# KiCad board Synth_Shield.kicad_pcb
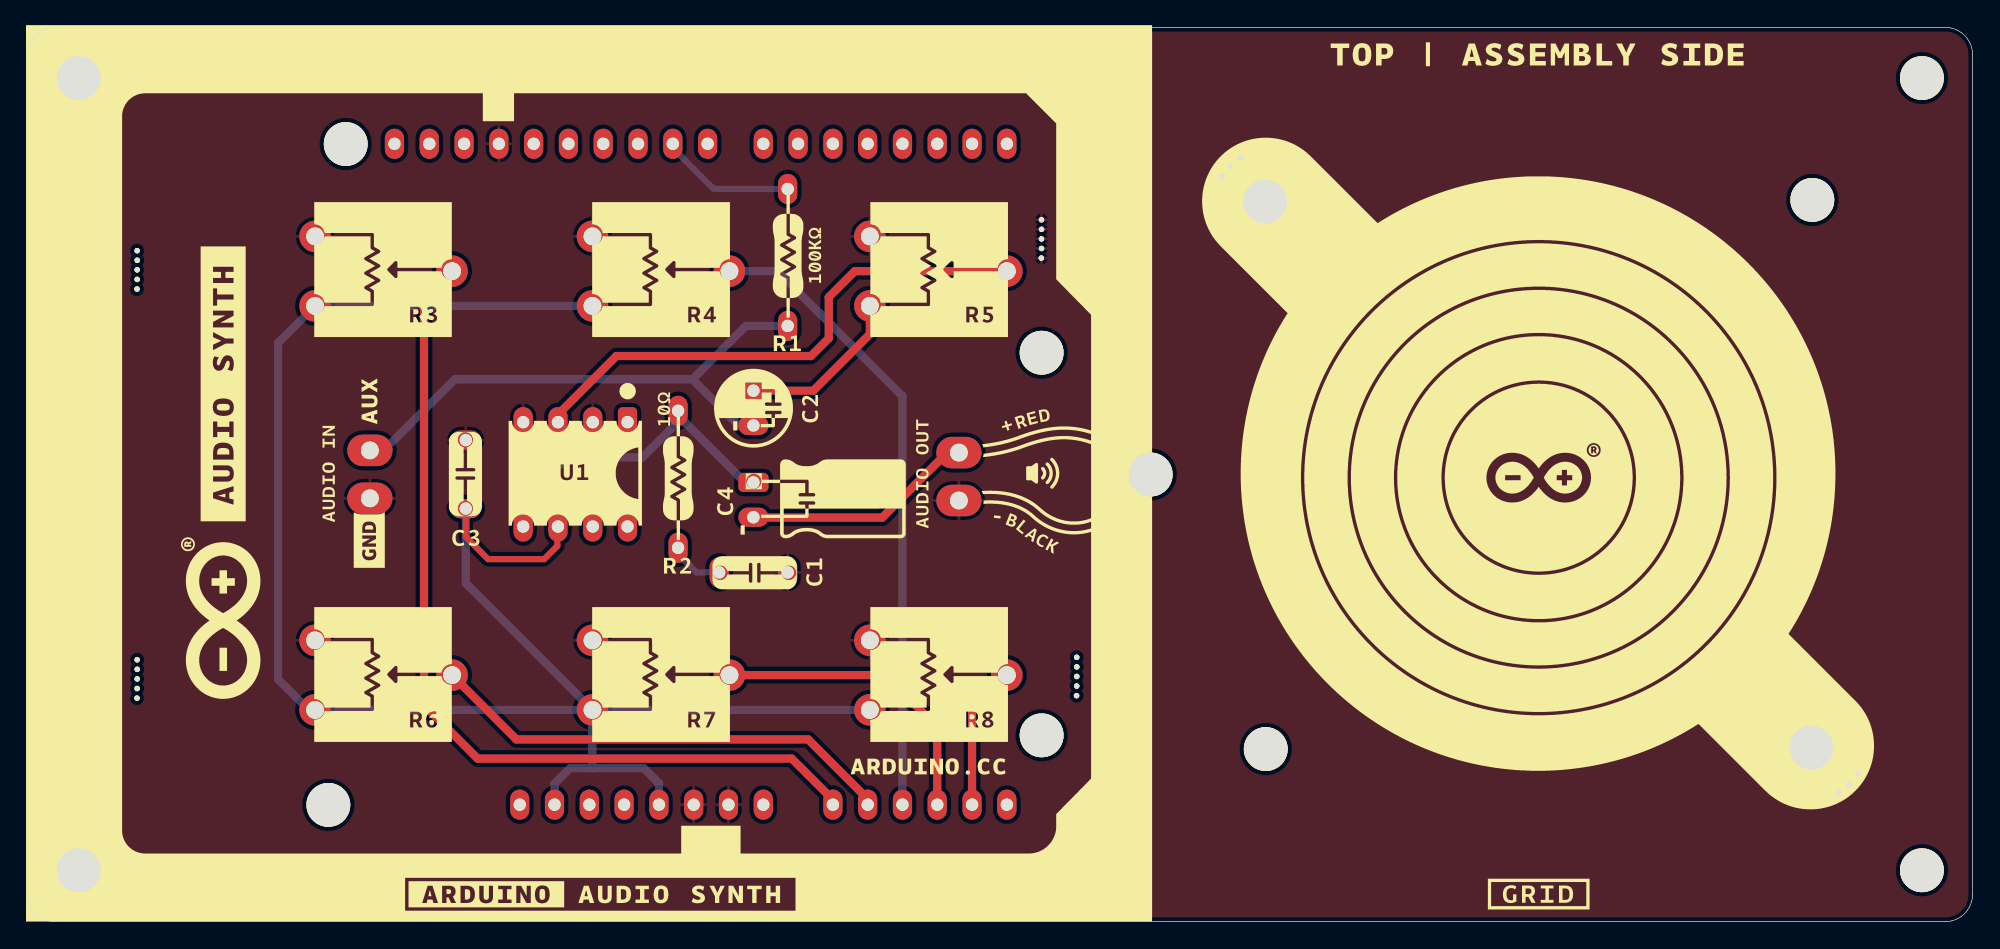
[diagram p0: board, top side]
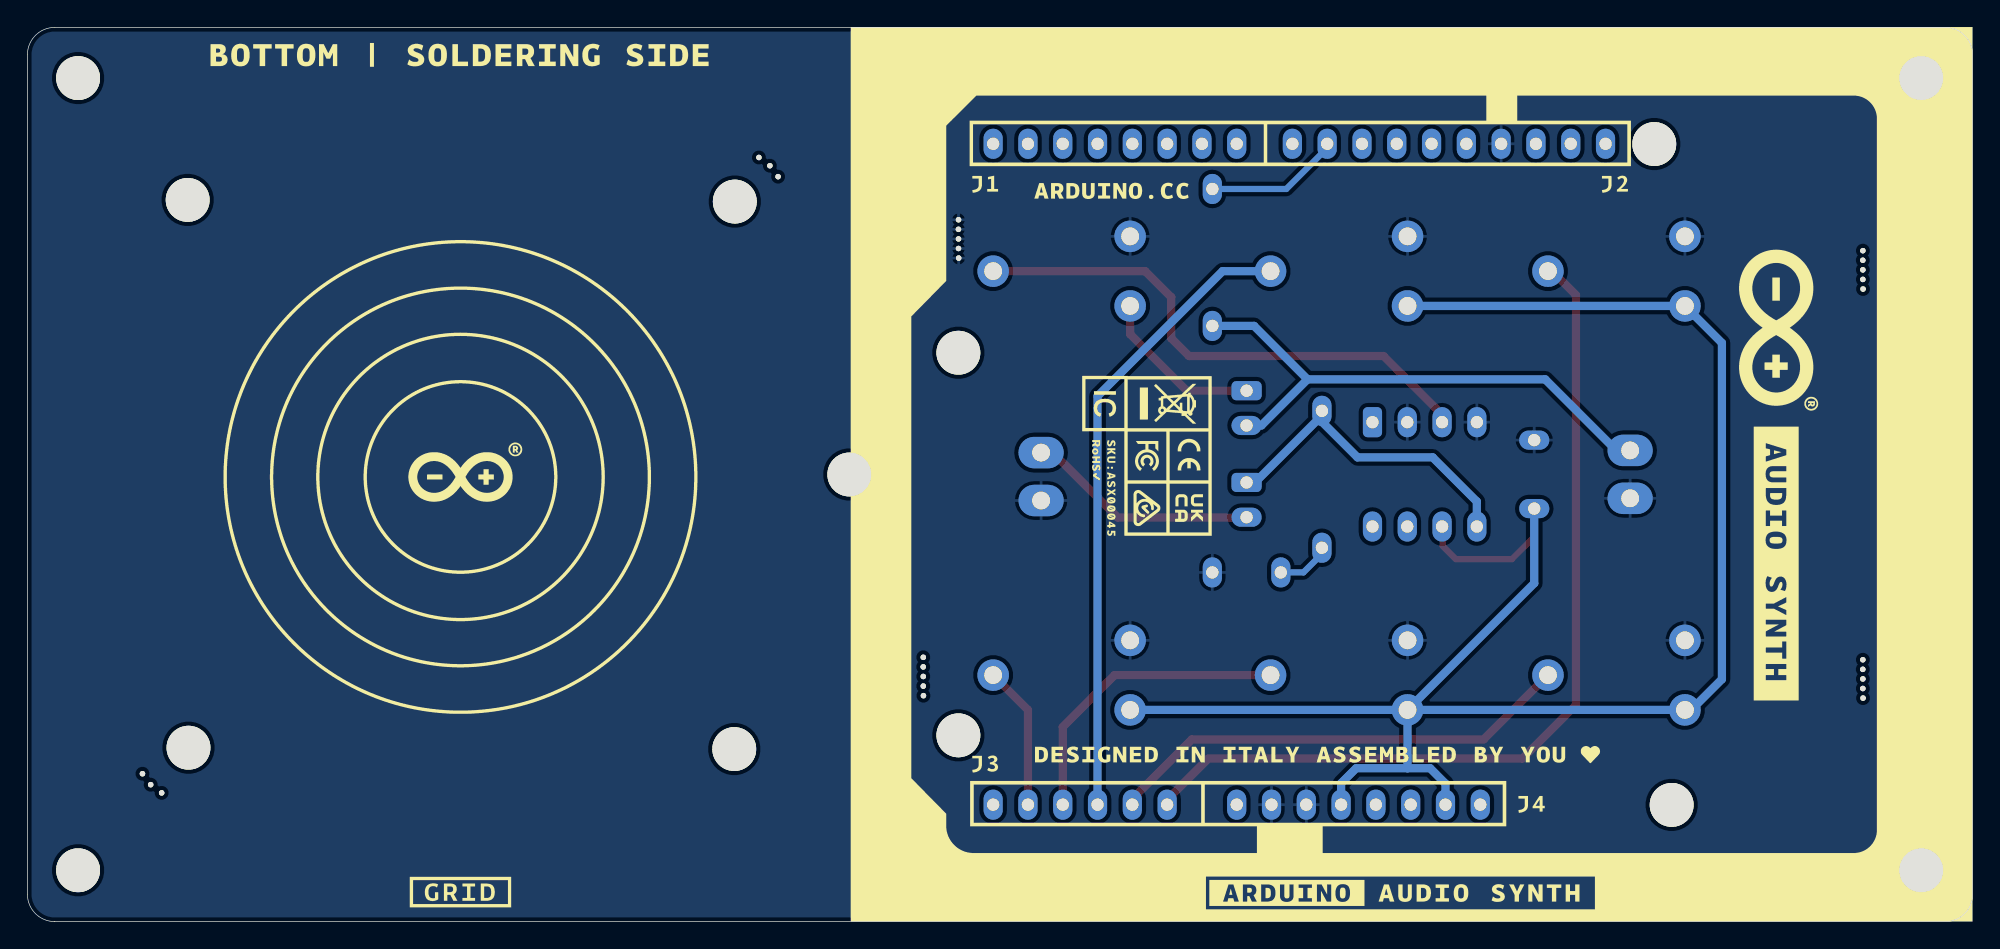
[diagram p1: board, bottom side, seen from below]

Outline 142 x 65.3 mm; copper layers: TOP, BOTTOM. Coordinates in mm from the lower left corner of the outline.
Outline path: 0,63.3 arc(0.59,64.71) 2,65.3 140,65.3 arc(141.41,64.71) 142,63.3 142,2 arc(141.41,0.59) 140,0 2,0 arc(0.59,0.59) 0,2 0,63.3

## Placement (name value [footprint] x y rotation side)
C1  -  [TS170R1H473KSABB0R]  53 25.5 0 top
C2  -  [EKF476M1EE05TU]  53 37.5 90 top
C3  -  [B32529C0104J289]  32 32.66 90 top
C4  -  [EKM227M1EE11TUSAP]  53 30.8 90 top
J1  PH1-08-UA  [CONN STRIP 2.54 PIN HEADER DIP 180° 1x 8 PIN GOLD FLASH]  62.61 56.8 180 top
J2  PH1-10-UA  [CONN STRIP 2.54 PIN HEADER DIP 180° 1x 10 PIN GOLD FLASH]  38.23 56.8 180 top
J3  PH1-06-UA  [2.54 PIN HEADER DIP 180° 1x 6 PIN GOLD FLASH]  65.15 8.54 0 top
J4  PH1-08-UA  [CONN STRIP 2.54 PIN HEADER DIP 180° 1x 8 PIN GOLD FLASH]  44.83 8.54 0 top
J5  -  [MK125002GO]  68 32.5 90 top
J6  -  [MK125002GO]  25 32.66 90 top
K1  KNOB TRIMMER  [0147]  66.7 47.6 0 top
K2  KNOB TRIMMER  [0147]  46.3 47.6 0 top
K3  KNOB TRIMMER  [0147]  26 47.4 0 top
K4  KNOB TRIMMER  [0147]  26 18 0 top
K5  KNOB TRIMMER  [0147]  46.3 18 0 top
K6  KNOB TRIMMER  [0147]  66.6 18.3 0 top
NOREF  -  [unnamed]  74.02 48.45 0 top
NOREF#2  -  [unnamed]  76.6 17.2 0 top
NOREF#3  -  [unnamed]  8.01 19.12 0 top
NOREF#4  -  [unnamed#2]  3.75 3.75 0 top
NOREF#5  -  [unnamed]  8 46.19 0 top
NOREF#6  -  [unnamed#2]  3.75 61.6 0 top
NOREF#7  -  [unnamed]  8.01 46.89 0 top
NOREF#8  -  [unnamed]  8.01 17.02 0 top
NOREF#9  -  [unnamed]  8.01 48.99 0 top
NOREF#10  -  [unnamed]  74.03 49.15 0 top
NOREF#11  -  [unnamed]  133.6 10.8 0 top
NOREF#12  -  [unnamed]  8.02 18.42 0 top
NOREF#13  -  [unnamed#2]  74.04 13.6 0 top
NOREF#14  -  [unnamed]  133 10 0 top
NOREF#15  -  [unnamed#2]  130.3 52.7 0 top
NOREF#16  -  [unnamed]  8 16.32 0 top
NOREF#17  -  [unnamed#2]  21.97 8.52 0 top
NOREF#18  -  [unnamed]  8.02 48.29 0 top
NOREF#19  -  [unnamed]  76.6 19.3 0 top
NOREF#20  -  [unnamed]  8.01 17.72 0 top
NOREF#21  -  [unnamed]  87.2 54.4 0 top
NOREF#22  -  [unnamed#2]  23.24 56.78 0 top
NOREF#23  -  [unnamed]  132.2 9.4 0 top
NOREF#24  -  [unnamed]  76.61 18.6 0 top
NOREF#25  -  [unnamed]  76.6 17.9 0 top
NOREF#26  -  [unnamed#2]  74.04 41.54 0 top
NOREF#27  -  [unnamed#2]  138.3 3.75 0 top
NOREF#28  -  [unnamed]  76.59 16.5 0 top
NOREF#29  -  [unnamed#2]  82 32.65 0 top
NOREF#30  -  [unnamed]  74.03 49.85 0 top
NOREF#31  -  [unnamed]  88.6 55.8 0 top
NOREF#32  -  [unnamed]  74.03 50.55 0 top
NOREF#33  -  [unnamed]  74.03 51.25 0 top
NOREF#34  -  [unnamed#2]  138.3 61.6 0 top
NOREF#35  -  [unnamed]  8.01 47.59 0 top
NOREF#36  -  [unnamed#2]  90.4 12.6 0 top
NOREF#37  -  [unnamed]  87.8 55.2 0 top
R1  1623930-1  [-0-1623930-1]  55.5 48.5 270 top
R2  1623930-5  [R0230]  47.5 32.3 270 top
R3  CA9MV10-10KA2020  [New footprint 1]  31 47.5 270 top
R4  CA9MV10-10KA2020  [New footprint 1]  51.25 47.5 270 top
R5  CA9MV10-10KA2020  [New footprint 1]  71.5 47.5 270 top
R6  CA9MV10-10KA2020  [New footprint 1]  31 18 270 top
R7  CA9MV10-10KA2020  [New footprint 1]  51.25 18 270 top
R8  CA9MV10-10KA2020  [New footprint 1]  71.5 18 270 top
S1  -  [L50EJ050008WLFLM-002]  110.3 32.64 45 top
U1  lm386  [P0008A]  40 32.66 270 top

## Footprints (pads in the part's own frame, mm; a bottom-side part is the same pattern mirrored in y, then rotated)
2.54 PIN HEADER DIP 180° 1x 6 PIN GOLD FLASH
  oval 1.4x2.2 hole 0.9: 1(-6.35,0) 2(-3.81,0) 3(-1.27,0) 4(1.27,0) 5(3.81,0) 6(6.35,0)
-0-1623930-1
  oval 2.2x1.4 hole 0.9: 1(-5,0) 2(5,0)
B32529C0104J289
  oval 1.4x2.2 hole 0.9: 1(-2.5,0) 2(2.5,0)
CONN STRIP 2.54 PIN HEADER DIP 180° 1x 8 PIN GOLD FLASH
  oval 1.4x2.2 hole 0.9: 1(-8.89,0) 2(-6.35,0) 3(-3.81,0) 4(-1.27,0) 5(1.27,0) 6(3.81,0) 7(6.35,0) 8(8.89,0)
CONN STRIP 2.54 PIN HEADER DIP 180° 1x 10 PIN GOLD FLASH
  oval 1.4x2.2 hole 0.9: 1(-11.43,0) 2(-8.89,0) 3(-6.35,0) 4(-3.81,0) 5(-1.27,0) 6(1.27,0) 7(3.81,0) 8(6.35,0) 9(8.89,0) 10(11.43,0)
EKF476M1EE05TU
  oval 1.4x2.2 hole 0.9: 1(-1.27,0)
  rrect 1.4x2.2 hole 0.9: 2(1.27,0)
EKM227M1EE11TUSAP
  oval 1.4x2.2 hole 0.9: 1(-1.27,0)
  rrect 1.4x2.2 hole 0.9: 2(1.27,0)
L50EJ050008WLFLM-002
  round 3.2 hole 3.2 unplated: (0,28.2) (0,-28.2)
MK125002GO
  oval 2.3x3.3 hole 1.3: 1(-1.75,0) 2(1.75,0)
New footprint 1
  round 2.3 hole 1.3: 1(-2.54,-10) 2(0,0) 3(2.54,-10)
P0008A
  rrect 2.2x1.4 hole 0.9: 1(-3.81,3.81)
  oval 2.2x1.4 hole 0.9: 2(-3.81,1.27) 3(-3.81,-1.27) 4(-3.81,-3.81) 5(3.81,-3.81) 6(3.81,-1.27) 7(3.81,1.27) 8(3.81,3.81)
R0230
  oval 2.2x1.4 hole 0.9: 1(-5,0) 2(5,0)
TS170R1H473KSABB0R
  oval 1.4x2.2 hole 0.9: 1(-2.5,0) 2(2.5,0)
unnamed
  round 0.4 hole 0.4 unplated: (0,0)
unnamed#2
  round 3.2 hole 3.2 unplated: (0,0)

## Nets
+5V: C3.1 J4.2 J4.5 R3.3 R4.3 R6.3 R7.3 R8.3 U1.6
GND: C1.2 C3.2 J2.7 J4.6 J4.7 J5.1 J6.1 R3.1 R4.1 R5.1 R6.1 R7.1 R8.1 U1.2 U1.4
AD0_1: J3.1 R3.2
AD1_1: J3.2 R6.2
AD2_1: J3.3 R4.2
AD3_1: J3.4 R7.2
AD4/SDA_1: J3.5 R8.2
AUX/IN_1: C2.1 J6.2 R1.2
NetC1_1: C1.1 R2.2
NetC2_2: C2.2 R5.3
NetC4_1: C4.1 J5.2
NetC4_2: C4.2 R2.1 U1.5
NetJ2_2: J2.2 R1.1
NetR5_2: R5.2 U1.3

Pads without a net: J1 1 2 3 4 5 6 7 8; J2 1 3 4 5 6 8 9 10; J3 6; J4 1 3 4 8; U1 1 7 8

## Routing (per net, layer and track width the routed paths; a pad name or vN(x,y) marks a point on that pad's centre or on a via; arc(x,y) is an arc through that point)
+5V: length 138.4
  TOP w0.45: 38.69,28.81 38.69,27.43 37.72,26.47 33.63,26.47 32,28.1 C3.1
  BOTTOM w0.6: J4.2 38.48,10.08 39.6,11.2 41.25,11.2 ; C3.1 32,24.71 R7.3 ; R7.3 R8.3 ; R7.3 41.25,11.2 ; R7.3 R6.3 20.54,15.46 18.3,17.7 18.3,42.26 R3.3 R4.3 ; J4.5 46.1,10.1 45,11.2 41.25,11.2
AD0_1: length 65.8
  TOP w0.6: J3.1 58.8,8.9 55.8,11.9 32.87,11.9 28.95,15.82 28.95,45.75 30.7,47.5 R3.2
AD1_1: length 34.5
  TOP w0.6: R6.2 35.7,13.3 57,13.3 61.34,8.96 J3.2
AD2_1: length 46.2
  BOTTOM w0.6: J3.3 63.88,38.37 54.75,47.5 R4.2
AD3_1: length 22.4
  TOP w0.6: J3.4 66.42,14.22 62.64,18 R7.2
AD4/SDA_1: length 10.5
  TOP w0.6: J3.5 68.96,15.46 R8.2
AUX/IN_1: length 41.1
  BOTTOM w0.6: 48.55,39.6 51.92,36.23 C2.1 ; R1.2 52.45,43.5 48.55,39.6 ; 24,34.41 J6.2 26.01,34.41 31.2,39.6 48.49,39.6
NetC1_1: length 4
  BOTTOM w0.45: C1.1 48.85,25.5 47.5,26.85 R2.2
NetC2_2: length 12.3
  TOP w0.6: R5.3 61.5,42.9 57.37,38.77 C2.2
NetC4_1: length 17
  TOP w0.6: 53,29.5 62.4,29.5 67.15,34.25 J5.2
NetC4_2: length 23.1
  BOTTOM w0.6: C4.2 52.39,32.07 47.73,36.73 44.9,33.9 39.41,33.9 36.19,30.68 U1.5
NetJ2_2: length 9.9
  BOTTOM w0.3: 47.1,56.78 J2.2
  BOTTOM w0.45: 47.1,56.78 47.1,56.5 50.1,53.5 R1.1
NetR5_2: length 39.4
  TOP w0.6: R5.2 60.4,47.5 58.5,45.6 58.5,42.6 57.2,41.3 43,41.3 38.73,37.03 U1.3

## Copper pours and planes (outline as drawn; the poured copper is in the pictures)
GND on TOP: 0,0 142,0 142,65.3 0,65.3
GND on BOTTOM: 0,0 142,0 142,65.3 0,65.3
